# Altium PCB ATmega324PB_Xplained_Pro.PcbDoc (part 3 of 3)
Units mm, origin at the board's own origin, x right, y up, seen from the top; angles counter-clockwise.
Board outline 60 x 60 mm, 4 copper layers (Top Layer LF-signals, GND, POWER, Bottom Layer LF-signals), stack 1.604 mm thick; 129 components, 114 nets, 606 pads, 241 vias.
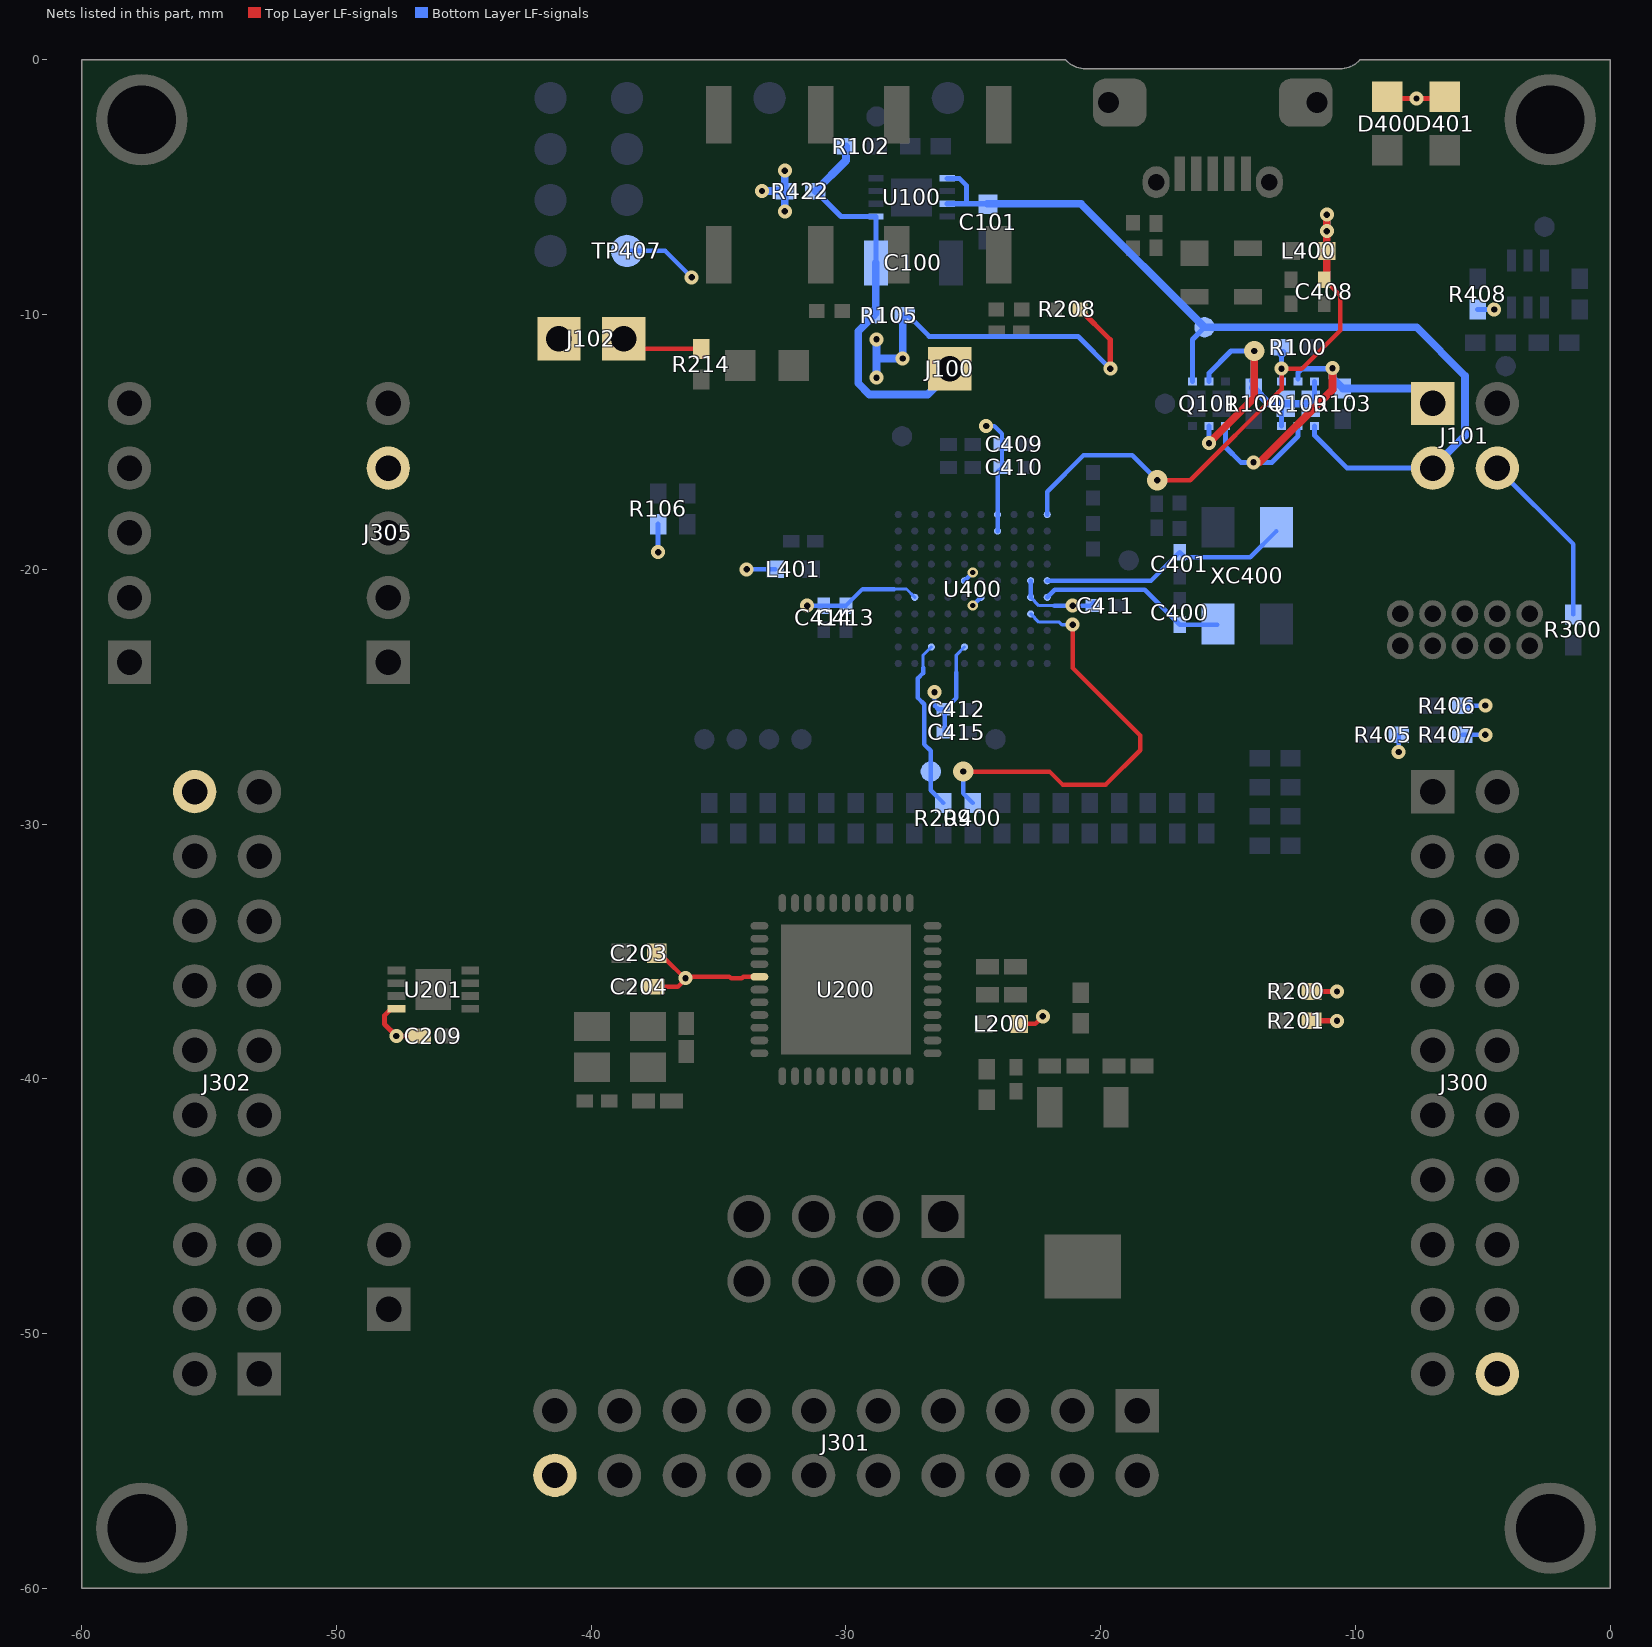
[diagram p5: the nets of this part, all layers, seen from the top]

## Via types
v1: diameter 0.55, hole 0.25, Top Layer LF-signals to Bottom Layer LF-signals, 105 vias
v2: diameter 0.55, hole 0.25, Top Layer LF-signals to Bottom Layer LF-signals, tented bottom, 45 vias
v3: diameter 0.55, hole 0.25, Top Layer LF-signals to Bottom Layer LF-signals, tented top, 29 vias
v4: diameter 0.55/0.8 (per signal layer), hole 0.25, Top Layer LF-signals to Bottom Layer LF-signals, tented top, 24 vias
v5: diameter 0.55, hole 0.25, Top Layer LF-signals to Bottom Layer LF-signals, tented both sides, 13 vias
v6: diameter 0.4, hole 0.2, Top Layer LF-signals to Bottom Layer LF-signals, tented both sides, 12 vias
v7: diameter 0.4, hole 0.2, Top Layer LF-signals to Bottom Layer LF-signals, tented top, 8 vias
v8: diameter 0.4, hole 0.2, Top Layer LF-signals to Bottom Layer LF-signals, 2 vias
v9: diameter 0.55/0.55 (per signal layer), hole 0.25, Top Layer LF-signals to Bottom Layer LF-signals, tented top, 1 vias
v10: diameter 0.55/0.55 (per signal layer), hole 0.25, Top Layer LF-signals to Bottom Layer LF-signals, 1 vias
v11: diameter 0.55/0.55 (per signal layer), hole 0.25, Top Layer LF-signals to Bottom Layer LF-signals, tented both sides, 1 vias

## Nets (pads, with @x,y where several pads share a name; then routed paths per layer and width w, separated by ;. In a path a pad name is that pad's centre, name@x,y a point inside that pad or via, vN(x,y) a via of type N, cw(c..) or ccw(c..) an arc to the next point about the centre after c; other vN are vias at no path point) (continued)
TARGET_RESET_: R400.1 U400.B4 | length 16.9
  Top Layer LF-signals w0.175: v4(-25.4,-27.94) -22.01,-27.94 -21.497,-28.453 -19.803,-28.453 -18.45,-27.1 -18.45,-26.525 -21.1,-23.875 v9(-21.1,-22.175)
  Bottom Layer LF-signals w0.125: U400.B4@-22.75,-21.75 -22.425,-22.075 -21.625,-22.075 -21.525,-22.175 v9(-21.1,-22.175)
  Bottom Layer LF-signals w0.175: -25.4,-28.8 R400.1@-25.025,-29.175 ; -25.4,-28.75 v4(-25.4,-27.94)
TARGET_RESET_SENSE: pad.0@-26.67,-27.94 R209.1 U400.H2 | length 6.7
  Bottom Layer LF-signals w0.125: -26.975,-23.865 -26.975,-23.375 U400.H2@-26.65,-23.05
  Bottom Layer LF-signals w0.175: -26.975,-23.865 -26.975,-24.075 -27.175,-24.275 -27.175,-25.05 -26.925,-25.3 -26.925,-26.875 -26.67,-27.13 pad.0@-26.67,-27.94 -26.67,-28.63 ; -26.67,-28.68 R209.1@-26.175,-29.175
VCC_EDBG_P3V3: C409.1 C410.1 C411.1 C412.1 C413.1 C414.1 C415.1 D400.2 D401.2 L401.1 R405.2 R406.2 R407.2 R408.2 R422.1 TP407.1 U400.B5 U400.B6 U400.D9 U400.D10 U400.E5 U400.F2 U400.F6 U400.J5 | length 30.2
  Top Layer LF-signals w0.2: D400.2@-8.756,-1.518 v3(-7.6,-1.518) D401.2@-6.47,-1.518
  Bottom Layer LF-signals w0.125: -28.115,-20.775 -27.625,-20.775 U400.J5@-27.3,-21.1 ; -25.675,-24.05 -25.675,-23.375 U400.F2@-25.35,-23.05 ; U400.B5@-22.75,-21.1 -22.425,-21.425 -21.825,-21.425
  Bottom Layer LF-signals w0.175: TP407.1@-38.6,-7.5 -37.1,-7.5 v1(-36.062,-8.538) ; v5(-33.9,-20) L401.1@-32.775,-20 ; v3(-31.525,-21.425) C414.1@-30.875,-21.425 C413.1@-30,-21.425 -29.35,-20.775 -28.115,-20.775 ; v3(-26.525,-24.825) -26.525,-25.35 -26.375,-25.5 C412.1@-26.125,-25.5 ; C415.1@-26.125,-26.4 C412.1@-26.125,-25.5 ; -25.675,-24.05 -25.675,-25.05 C412.1@-26.125,-25.5 ; U400.F6@-25.35,-20.45 v6(-25.025,-20.125) ; v6(-25.025,-21.425) U400.E5@-24.7,-21.1 ; v5(-24.5,-14.375) -24.175,-14.375 -23.875,-14.675 C409.1@-23.875,-15.1 C410.1@-23.875,-16 -24.05,-16.175 U400.D10@-24.05,-17.85 U400.D9@-24.05,-18.5 ; U400.B5@-22.75,-21.1 U400.B6@-22.75,-20.45 ; -21.825,-21.425 v3(-21.1,-21.425) -20.4,-21.425 C411.1@-20.275,-21.3 ; v3(-8.3,-27.175) R405.2@-8.3,-26.5 ; R407.2@-5.8,-26.5 v3(-4.9,-26.5) ; R406.2@-5.8,-25.35 v3(-4.9,-25.35)
  Bottom Layer LF-signals w0.2: R408.2@-5.2,-9.8 v3(-4.55,-9.8)
  Bottom Layer LF-signals w0.3: v3(-33.3,-5.15) R422.1@-32.4,-5.15 ; v3(-32.4,-5.95) R422.1@-32.4,-5.15 ; v3(-32.4,-4.35) R422.1@-32.4,-5.15
VCC_EDBG_USB_P5V0: C408.1 L400.2 Q100.1 R100.2 U400.A10 | length 23
  Top Layer LF-signals w0.175: v4(-17.78,-16.51) -16.485,-16.51 -12.9,-12.925 v1(-12.9,-12.125) -12.1,-12.125 -10.6,-10.625 -10.6,-9.25 C408.1@-11.225,-8.625
  Top Layer LF-signals w0.3: C408.1@-11.225,-8.625 -11.125,-8.525 L400.2@-11.125,-7.5 v3(-11.125,-6.075)
  Bottom Layer LF-signals w0.175: U400.A10@-22.1,-17.85 -22.1,-16.95 -20.675,-15.525 -18.765,-15.525 v4(-17.78,-16.51)
  Bottom Layer LF-signals w0.2: Q100.1@-12.9,-12.625 R100.2@-12.9,-11.55
  Bottom Layer LF-signals w0.3: R100.2@-12.9,-11.55 R100.2@-12.85,-11.5 ; v3(-11.125,-6.725) v3(-11.125,-6.075)
VCC_EXT_GATE: Q100.3 Q100.6 Q100.7 Q100.8 Q101.2 Q101.5 R104.2 | length 14.9
  Top Layer LF-signals w0.3: v1(-15.75,-15.05) -13.97,-13.27 v4(-13.97,-11.43) -13.97,-11.895
  Bottom Layer LF-signals w0.2: v1(-15.75,-15.05) Q101.2@-15.75,-14.375 ; Q101.5@-15.75,-12.625 -15.75,-12.3 -14.88,-11.43 v4(-13.97,-11.43) ; Q100.6@-12.9,-14.375 Q100.7@-12.9,-13.5 ; Q100.8@-11.76,-13.5 -11.6,-13.34 Q100.3@-11.6,-12.625
  Bottom Layer LF-signals w0.3: R104.2@-14.025,-12.875 -13.97,-12.82 v4(-13.97,-11.43) -13.97,-12.545 R104.2@-14.025,-12.6 ; R104.2@-14,-12.9 -13.4,-13.5 -12.9,-13.5 Q100.7@-12.74,-13.5 Q100.8@-11.76,-13.5
VCC_EXT_P5V0: J101.1@-6.97,-13.49 Q100.2 Q100.5 Q101.1 R103.2 | length 16.3
  Top Layer LF-signals w0.3: v3(-14,-15.8) -13.75,-15.8 -10.9,-12.95 v1(-10.9,-12.1)
  Bottom Layer LF-signals w0.2: Q101.1@-15.1,-14.375 -15.1,-15.2 -14.5,-15.8 v3(-14,-15.8) -13.275,-15.8 -12.25,-14.775 Q100.5@-12.25,-14.375 ; Q100.2@-12.25,-12.526 -12.25,-12.275 -12.1,-12.125 v1@-10.9,-12.125
  Bottom Layer LF-signals w0.3: v1(-10.9,-12.1) -10.9,-12.125 -10.9,-12.5 R103.2@-10.5,-12.9 -7.56,-12.9 J101.1@-6.97,-13.49
VCC_MCU_P3V3: C203.1 C204.1 J102.1 L200.2 U200.5 | length 6.9
  Top Layer LF-signals w0.175: C204.1@-37.572,-36.385 -36.598,-36.385 -36.213,-36 -34.575,-36 -34.512,-36.063 -34.088,-36.063 -34.025,-36 U200.5@-33.4,-36 ; C203.1@-37.423,-35.285 -37.102,-35.285 v1@-36.3,-36.087 ; L200.2@-23.2,-37.85 -22.575,-37.85 v2(-22.275,-37.55)
  other v1: -36.3,-36.05
VCC_P3V3: C100.1 J100.1@-25.925,-12.125 R102.1 R105.2 R422.2 U100.5 | length 16.1
  Bottom Layer LF-signals w0.2: R422.2@-31.2,-5.15 -30.2,-6.15 U100.5@-28.825,-6.15 C100.1@-28.825,-7.975
  Bottom Layer LF-signals w0.3: R422.2@-31.2,-5.15 -30,-3.95 R102.1@-30,-3.4 ; R105.2@-28.9,-10.025 -29.525,-10.65 -29.525,-12.7 -29.088,-13.137 -26.788,-13.137 J100.1@-25.775,-12.125 ; R105.2@-28.825,-9.95 C100.1@-28.825,-7.975
VCC_P5V0: C101.1 J101.3@-6.97,-16.03 pad.1 Q100.4 Q101.4 U100.1 U100.3 | length 36.7
  Bottom Layer LF-signals w0.2: U100.3@-26.025,-5.65 -25.275,-5.65 ; U100.1@-26.025,-4.65 -25.55,-4.65 -25.275,-4.925 -25.275,-5.65 ; C101.1@-24.45,-5.65 -25.275,-5.65 ; Q101.4@-16.4,-12.625 -16.4,-10.975 pad.1@-15.925,-10.5 ; Q100.4@-11.6,-14.375 -11.6,-14.75 -10.32,-16.03 J101.3@-6.978,-16.03
  Bottom Layer LF-signals w0.3: C101.1@-24.45,-5.65 -20.775,-5.65 pad.1@-15.925,-10.5 -7.6,-10.5 -5.7,-12.4 -5.7,-14.752 -6.978,-16.03 J101.3@-6.97,-16.03
VCC_TARGET_P3V3: C209.2 J101.4@-4.43,-16.03 J102.2 J300.20@-4.43,-51.59 J301.20@-41.43,-55.57 J302.20@-55.57,-28.73 J305.4 R105.1 R106.2 R200.2 R201.2 R208.2 R214.2 R300.2 U201.8 | length 31.8
  Top Layer LF-signals w0.175: J102.2@-38.73,-10.95 -38.33,-11.35 R214.2@-35.675,-11.35
  Top Layer LF-signals w0.2: U201.8@-47.65,-37.25 -47.85,-37.25 -48.125,-37.525 -48.125,-37.85 v1(-47.65,-38.325) C209.2@-46.75,-38.325 ; R208.2@-20.811,-9.8 -19.625,-10.986 v1(-19.625,-12.125) ; R201.2@-11.725,-37.725 v2(-10.725,-37.725) ; R200.2@-11.725,-36.575 v2(-10.725,-36.575)
  Bottom Layer LF-signals w0.175: J101.4@-4.43,-16.03 -1.45,-19.01 R300.2@-1.45,-21.775
  Bottom Layer LF-signals w0.2: v1(-37.375,-19.325) R106.2@-37.375,-18.225 ; R105.1@-27.7,-10.025 -27.56,-10.025 -26.73,-10.855 -20.895,-10.855 v1(-19.625,-12.125)
  Bottom Layer LF-signals w0.3: v1(-28.8,-12.475) -28.8,-11.725 ; v1(-28.8,-10.975) -28.8,-11.725 ; R105.1@-27.7,-10.025 -27.775,-10.1 v1(-27.775,-11.725) -28.8,-11.725
XIN0: C400.1 U400.A5 XC400.1 | length 7.4
  Bottom Layer LF-signals w0.175: U400.A5@-22.1,-21.1 -21.8,-20.8 -18.275,-20.8 C400.1@-16.9,-22.175 XC400.1@-15.425,-22.175
XOUT0: C401.1 U400.A6 XC400.3 | length 10
  Bottom Layer LF-signals w0.175: U400.A6@-22.1,-20.45 -18.025,-20.45 C401.1@-16.9,-19.325 -16.7,-19.525 -14.125,-19.525 XC400.3@-13.1,-18.5
pads on no net: J100.1@-25.925,-12.125 J101.1@-6.97,-13.49 J101.2@-4.43,-13.49 J101.3@-6.97,-16.03 J101.4@-4.43,-16.03 J201.1@-47.95,-49.05 J201.2@-47.95,-46.51 J300.1@-6.97,-28.73 J300.2@-4.43,-28.73 J300.3@-6.97,-31.27 J300.4@-4.43,-31.27 J300.5@-6.97,-33.81 J300.6@-4.43,-33.81 J300.7@-6.97,-36.35 J300.8@-4.43,-36.35 J300.9@-6.97,-38.89 J300.10@-4.43,-38.89 J300.11@-6.97,-41.43 J300.12@-4.43,-41.43 J300.13@-6.97,-43.97 J300.14@-4.43,-43.97 J300.15@-6.97,-46.51 J300.16@-4.43,-46.51 J300.17@-6.97,-49.05 J300.18@-4.43,-49.05 J300.19@-6.97,-51.59 J300.20@-4.43,-51.59 J301.1@-18.57,-53.03 J301.2@-18.57,-55.57 J301.3@-21.11,-53.03 J301.4@-21.11,-55.57 J301.5@-23.65,-53.03 J301.6@-23.65,-55.57 J301.7@-26.19,-53.03 J301.8@-26.19,-55.57 J301.9@-28.73,-53.03 J301.10@-28.73,-55.57 J301.11@-31.27,-53.03 J301.12@-31.27,-55.57 J301.13@-33.81,-53.03 J301.14@-33.81,-55.57 J301.15@-36.35,-53.03 J301.16@-36.35,-55.57 J301.17@-38.89,-53.03 J301.18@-38.89,-55.57 J301.19@-41.43,-53.03 J301.20@-41.43,-55.57 J302.1@-53.03,-51.59 J302.2@-55.57,-51.59 J302.3@-53.03,-49.05 J302.4@-55.57,-49.05 J302.5@-53.03,-46.51 J302.6@-55.57,-46.51 J302.7@-53.03,-43.97 J302.8@-55.57,-43.97 J302.9@-53.03,-41.43 J302.10@-55.57,-41.43 J302.11@-53.03,-38.89 J302.12@-55.57,-38.89 J302.13@-53.03,-36.35 J302.14@-55.57,-36.35 J302.15@-53.03,-33.81 J302.16@-55.57,-33.81 J302.17@-53.03,-31.27 J302.18@-55.57,-31.27 J302.19@-53.03,-28.73 J302.20@-55.57,-28.73 J304.1@-3.16,-21.74 J304.2@-3.16,-23.01 J304.3@-4.43,-21.74 J304.4@-4.43,-23.01 J304.5@-5.7,-21.74 J304.6@-5.7,-23.01 J304.7 J304.8 J304.9@-8.24,-21.74 J304.10@-8.24,-23.01 J400.4 J400.6@-12,-1.675 J400.7@-19.2,-1.675 J400.8@-13.375,-4.8 J400.9@-17.825,-4.8 U100.0 U100.2 U100.4 U100.6 U200.0 U201.1 U201.2 U201.3 U201.7 U400.A2 U400.A3 U400.A4 U400.A7 U400.B1 U400.B2 U400.B7 U400.C1 U400.C2 U400.C4 U400.D1 U400.D2 U400.D4 U400.D7 U400.E1 U400.E3 U400.E4 U400.E7 U400.E8 U400.F3 U400.F4 U400.G1 U400.G2 U400.G3 U400.G4 U400.G6 U400.G8 U400.G9 U400.G10 U400.H1 U400.H4 U400.H5 U400.H6 U400.H10 U400.J1 U400.J2 U400.J3 U400.J7 U400.J10 U400.K1 U400.K5 U400.K6 U400.K7 XC400.2 XC400.4

## Polygon pours and split planes (outlines as drawn)
GND on Top Layer LF-signals "Top_GND_fill" (solid, remove dead copper, pour order 14): -59.7,-0.3 -0.3,-0.3 -0.3,-59.7 -59.7,-59.7
GND on Bottom Layer LF-signals "Bottom Layer LF-signals-No Net" (solid, remove dead copper, pour order 15): -59.7,-0.3 -0.3,-0.3 -0.3,-59.7 -59.7,-59.7
GND on Bottom Layer LF-signals "Regulator_GND" (solid, remove dead copper, pour order 10): -28.275,-2.275 -28.275,-9.275 -24.975,-9.275 -24.975,-2.275
no net on Bottom Layer LF-signals "Regulator_P3V3" (solid, pour order 9): -27.925,-2.275 -27.925,-9.275 -31.79,-9.275 -31.79,-2.275 -27.925,-2.275
no net on Top Overlay "MountingHole_Index" (solid): -4.5,-0.3 -0.3,-0.3 -0.3,-4.5 -4.5,-4.5
GND on GND (split plane): -21.402,-0.321 -21.284,-0.405 -21.158,-0.474 -21.024,-0.53 -20.886,-0.57 -20.743,-0.594 -20.602,-0.602 -20.6,-0.602 -10.6,-0.602 -10.599,-0.602 -10.456,-0.594 -10.314,-0.57 -10.175,-0.53 -10.042,-0.474 -9.915,-0.405 -9.797,-0.321 -9.721,-0.253 -0.252,-0.252 -0.252,-59.748 -59.748,-59.748 -59.748,-0.252 -21.479,-0.252
VCC_EDBG_P3V3 on POWER (split plane): -21.402,-0.321 -21.284,-0.405 -21.158,-0.474 -21.024,-0.53 -20.886,-0.57 -20.743,-0.594 -20.602,-0.602 -20.6,-0.602 -10.6,-0.602 -10.599,-0.602 -10.456,-0.594 -10.314,-0.57 -10.175,-0.53 -10.042,-0.474 -9.915,-0.405 -9.797,-0.321 -9.721,-0.253 -0.252,-0.252 -0.252,-14.323 -5.9,-14.323 -5.946,-14.33 -5.988,-14.347 -6.025,-14.375 -6.053,-14.412 -6.07,-14.454 -6.077,-14.5 -6.077,-17.5 -6.07,-17.546 -6.053,-17.588 -6.025,-17.625 -4.677,-18.973 -4.677,-27.323 -31.402,-27.323 -34.698,-24.027 -34.698,-15.123 -33.677,-14.102 -28.425,-14.102 -28.379,-14.095 -28.336,-14.078 -28.3,-14.05 -27.35,-13.1 -27.322,-13.064 -27.305,-13.021 -27.298,-12.975 -27.298,-10.4 -27.305,-10.354 -27.322,-10.312 -27.35,-10.275 -28.5,-9.125 -28.537,-9.097 -28.579,-9.08 -28.625,-9.073 -36.302,-9.073 -37.123,-8.252 -37.123,-0.252 -21.479,-0.252
VCC_MCU_P3V3 on POWER (split plane): -40.177,-10.098 -40.177,-30.225 -40.17,-30.271 -40.153,-30.313 -40.125,-30.35 -36.525,-33.95 -36.488,-33.978 -36.446,-33.995 -36.4,-34.002 -22.748,-34.002 -21.252,-35.498 -21.252,-37.802 -22.723,-39.273 -34.734,-39.273 -42.473,-31.534 -42.473,-10.073 -42.102,-9.702 -40.573,-9.702
VCC_TARGET_P3V3 on POWER (split plane): -37.477,-8.325 -37.47,-8.371 -37.453,-8.413 -37.425,-8.45 -36.5,-9.375 -36.463,-9.403 -36.421,-9.42 -36.375,-9.427 -28.698,-9.427 -27.652,-10.473 -27.652,-12.902 -28.498,-13.748 -33.75,-13.748 -33.796,-13.755 -33.838,-13.772 -33.875,-13.8 -35,-14.925 -35.028,-14.962 -35.045,-15.004 -35.052,-15.05 -35.052,-24.1 -35.045,-24.146 -35.028,-24.188 -35,-24.225 -31.6,-27.625 -31.563,-27.653 -31.521,-27.67 -31.475,-27.677 -4.5,-27.677 -4.454,-27.67 -4.412,-27.653 -4.375,-27.625 -4.347,-27.588 -4.33,-27.546 -4.323,-27.5 -4.323,-18.9 -4.33,-18.854 -4.347,-18.812 -4.375,-18.775 -5.723,-17.427 -5.723,-14.677 -0.252,-14.677 -0.252,-59.748 -59.748,-59.748 -59.748,-0.252 -37.477,-0.252

## Keep-outs
Keep-Out Layer:
  lines w0.1: -42.658,-0.3 -21.375,-0.3 ccw(c-20.599,0.386) -19.964,-0.432 -11.23,-0.432 ; -42.645,-0.3 -59.7,-0.3 -59.7,-59.7 -0.3,-59.7 -0.3,-0.3 -9.825,-0.3 cw(c-10.6,0.386) -11.23,-0.436

## Other copper
POWER (plane layer: these items are gaps in the copper):
  lines w0.35: -37.3,-0.025 -37.3,-8.325 -36.375,-9.25 -28.625,-9.25 -27.475,-10.4 -27.475,-12.975 -28.425,-13.925 -33.75,-13.925 -34.875,-15.05 -34.875,-24.1 -31.475,-27.5 -4.5,-27.5 -4.5,-18.9 -5.9,-17.5 -5.9,-14.5 0,-14.5 ; -42.65,-31.607 -42.65,-10 -42.175,-9.525 -40.5,-9.525 -40,-10.025 -40,-30.225 -36.4,-33.825 -22.675,-33.825 -21.075,-35.425 -21.075,-37.875 -22.65,-39.45 -34.807,-39.45 -42.65,-31.607

## Silkscreen, mask and mechanical layers (free items; w line width, h text height)
Top Overlay:
  pour cut-out: -4.3,-2.35 ccw(c-2.35,-2.35) -2.35,-4.3 ccw(c-2.35,-2.35) -0.4,-2.35 ccw(c-2.35,-2.35) -2.35,-0.4 ccw(c-2.35,-2.35)
  text "VCC_MCU" at -40.925,-4.921 h1 r90
  text "GND" at -59.025,-5.4 h1.52
  text "GND" at -3.75,-5.75 h1.52
  text "VCC_TARGET" at -38.3,-6.55 h1 r90
  text "DEBUG USB" at -21.3,-8.95 h1.5 r90
  text "POWER" at -8.25,-10 h1.5 r90
  text "STATUS" at -6,-10.25 h1.5 r90
  text "SW0" at -36.2,-10.5 h1.5
  text "RESET" at -29.2,-10.5 h1.5
  text "ANALOG" at -49.575,-11.675 h1.5
  text "DGI GPIO" at -59.69,-11.775 h1.5
  text "PWR" at -7.525,-12.025 h1.5
  text "3.3V" at -24.05,-12.575 h1.5
  text "5.0V_IN" at -18.725,-13.85 h1.5
  text "GND" at -12.717,-13.879 h1.5
  text "GND" at -56.325,-13.919 h1.5
  text "GND" at -46.165,-13.919 h1.5
  text "1" at -9.063,-13.913 h1.5
  text "LED0" at -34.475,-14.15 h1.5
  text "5.0V" at -16.684,-16.42 h1.5
  text "VCC" at -12.717,-16.42 h1.5
  text "GPIO3" at -56.325,-16.459 h1.5
  text "VCC" at -46.165,-16.459 h1.5
  text "3" at -9.063,-16.453 h1.5
  text "b" at -35.825,-17.625 h7
  text "GPIO2" at -56.325,-18.999 h1.5
  text "ACO" at -46.165,-18.999 h1.5
  text "JTAG" at -7.7,-20.1 h1.5
  text "GPIO1" at -56.325,-21.539 h1.5
  text "AIN1" at -46.165,-21.539 h1.5
  text "ATmega324PB" at -42.725,-21.925 h1.5
  text "X" at -31.725,-21.925 h4
  text "PLAINED" at -28.3,-21.925 h2
  text "PRO" at -19.375,-21.925 h1
  text "GPIO0" at -56.325,-24.079 h1.5
  text "AIN0" at -46.165,-24.079 h1.5
  text "EXT4" at -55.85,-26.85 h1.5
  text "EXT1" at -7.25,-26.85 h1.5
  text "a" at -36.825,-28.575 h7
  text "19" at -51.437,-28.992 h1.5
  text "1" at -8.913,-29.238 h1.5
  text "17" at -51.437,-31.548 h1.5
  text "3" at -8.913,-31.778 h1.5
  text "ATmega324PB" at -36.025,-32 h2
  text "15" at -51.437,-34.103 h1.5
  text "5" at -8.913,-34.318 h1.5
  text "ATECC508A" at -49.1,-35.175 h1.2
  text "13" at -51.437,-36.659 h1.5
  text "7" at -8.913,-36.858 h1.5
  text "11" at -51.437,-39.214 h1.5
  text "9" at -8.913,-39.398 h1.5
  text "16MHz" at -41.05,-40.425 h1.2 r90
  text "9" at -51.437,-41.771 h1.5
  text "11" at -9.675,-41.938 h1.5
  text "PC05" at -27.675,-42.35 h1.2
  text "PC04" at -32.6,-42.4 h1.2
  text "PC02" at -30.05,-43.475 h1.2
  text "PC03" at -35.05,-43.525 h1.2
  text "7" at -51.4,-44.325 h1.5
  text "13" at -9.675,-44.478 h1.5
  text "J201" at -49.377,-44.9 h1.5
  text "32kHz" at -17.725,-46.175 h1.2 r90
  text "EXT4-06" at -45.975,-46.95 h1.5
  text "5" at -51.434,-46.982 h1.5
  text "15" at -9.675,-47.018 h1.5
  text "J200" at -35.45,-48.302 h1.5 r90
  text "3" at -51.437,-49.436 h1.5
  text "PA07" at -46,-49.55 h1.5
  text "17" at -9.675,-49.558 h1.5
  text "EXT3-07" at -33.475,-50.475 h1.2
  text "EXT3-03" at -27.725,-50.475 h1.2
  text "EXT3-08" at -36,-51.6 h1.2
  text "EXT3-06" at -30.2,-51.6 h1.2
  text "1" at -51.437,-51.992 h1.5
  text "19" at -9.675,-52.098 h1.5
  text "1" at -16.217,-53.277 h1.5 r90
  text "19" at -42.856,-53.744 h1.5 r90
  text "GND" at -59.075,-55.575 h1.52
  text "GND" at -3.8,-55.6 h1.52
  text "EXT3" at -44.326,-55.749 h1.5 r90
  text "2" at -16.222,-55.904 h1.5 r90
  text "20" at -42.861,-56.283 h1.5 r90
Bottom Overlay:
  lines w0.1: -35.95,-28.525 -35.95,-27.225 -31.35,-27.225 ; -29.05,-28.525 -29.05,-27.225 -31.35,-27.225 ; -19.85,-28.525 -19.85,-27.225 ; -16.35,-22.85 -16.35,-23.075 -16.175,-23.25 -15.95,-23.25 ; -15.275,-28.525 -15.275,-27.225 -19.85,-27.225 ; -31.35,-28.525 -31.35,-28.525 ; -31.35,-28.525 -31.35,-27.225 ; -24.45,-28.525 -24.45,-28.525 ; -24.45,-28.525 -24.45,-27.225 -19.85,-27.225 ; -29.05,-28.525 -29.05,-28.525 ; -26.75,-28.525 -26.75,-28.525
  text "GND" at -42.825,-1.825 h0.67
  text "BOOT" at -34.906,-1.875 h0.67
  text "TCK" at -42.825,-3.825 h0.67
  text "RST" at -35.577,-3.875 h0.67
  text "TDI" at -42.825,-5.825 h0.67
  text "TDO" at -35.577,-5.875 h0.67
  text "TMS" at -42.825,-7.825 h0.67
  text "VCC" at -35.577,-7.875 h0.67
  text "ANALOG" at -43.45,-11.75 h1.5
  text "DGI GPIO" at -53.525,-11.8 h1.5
  text "EXT" at -6.25,-12.175 h0.67
  text "3.3V" at -27.65,-12.6 h1.5
  text "GND" at -0.9,-13.8 h0.67
  text "GND" at -53.575,-13.844 h1.5
  text "GND" at -43.45,-13.869 h1.5
  text "3.3V" at -0.9,-16.35 h0.67
  text "PC06" at -53.6,-16.384 h1.5
  text "VCC" at -43.45,-16.409 h1.5
  text "5.0V" at -5.95,-18.05 h0.67
  text "PC01" at -53.6,-18.924 h1.5
  text "PC05" at -43.45,-19.024 h1.5
  text "PB02" at -53.6,-21.464 h1.5
  text "PB03" at -43.45,-21.564 h1.5
  text "PB04" at -53.6,-24.004 h1.5
  text "PB02" at -43.45,-24.104 h1.5
  text "UART" at -29.275,-28.15 h0.8
  text "SPI" at -32.85,-28.275 h1.2
  text "JTAG" at -21.075,-28.275 h1.2
  text "GPIO" at -16.275,-28.275 h1.2
  text "VCC" at -56.851,-29.075 h0.67
  text "GND" at -49.346,-29.075 h0.67
  text "ID" at -8.21,-29.075 h0.67
  text "GND" at -1,-29.075 h0.67
  text "c" at -39.125,-31.3 h4
  text "PB07" at -56.851,-31.622 h0.67
  text "PB06" at -49.346,-31.622 h0.67
  text "PA00" at -8.21,-31.624 h0.67
  text "PA01" at -0.688,-31.752 h0.67
  text "REMOVE RESISTORS TO DISCONNECT EDBG" at -15.225,-32 h1.2
  text "ID" at -17.975,-34.125 h1.3
  text "GND" at -11.85,-34.125 h1.3
  text "PB05" at -56.851,-34.169 h0.67
  text "PB00" at -49.346,-34.169 h0.67
  text "PA02" at -8.21,-34.173 h0.67
  text "PA03" at -0.688,-34.276 h0.67
  text "Atmel Corp © 2015" at -28.75,-35.525 h2
  text "ADC+" at -17.975,-35.75 h1.3
  text "ADC-" at -11.85,-35.75 h1.3
  text "PE03" at -56.851,-36.717 h0.67
  text "PE02" at -49.346,-36.717 h0.67
  text "PD05" at -8.21,-36.722 h0.67
  text "PD04" at -0.688,-36.8 h0.67
  text "GPIO0" at -17.975,-37.375 h1.3
  text "GPIO1" at -11.85,-37.375 h1.3
  text "PWM+" at -17.975,-39 h1.3
  text "PWM-" at -11.85,-39 h1.3
  text "PE06" at -56.851,-39.264 h0.67
  text "PE05" at -49.346,-39.264 h0.67
  text "PC01" at -8.21,-39.271 h0.67
  text "PC00" at -0.688,-39.333 h0.67
  text "IRQ" at -17.975,-40.625 h1.3
  text "SPI_SS_B" at -11.85,-40.625 h1.3
  text "A08-2447 Rev 2" at -30.375,-41.525 h2
  text "PD07" at -56.851,-41.811 h0.67
  text "PB02" at -49.346,-41.811 h0.67
  text "PE05" at -8.21,-41.82 h0.67
  text "PE06" at -0.688,-41.867 h0.67
  text "XPLAINED PRO" at -25.275,-42.05 h0.67 r270
  text "TWI_SDA" at -17.975,-42.25 h1.3
  text "TWI_SCL" at -11.85,-42.25 h1.3
  text "EXTENSION HEADER" at -26.425,-43.394 h0.67 r270
  text "TCK" at -29.582,-43.537 h1
  text "TDI" at -27.015,-43.537 h1
  text "TMS" at -34.703,-43.587 h1
  text "TDO" at -32.101,-43.587 h1
  text "UART_RX" at -17.975,-43.875 h1.3
  text "UART_TX" at -11.85,-43.875 h1.3
  text "PE04" at -56.851,-44.358 h0.67
  text "PB03" at -49.346,-44.358 h0.67
  text "PD00" at -8.21,-44.369 h0.67
  text "PD01" at -0.688,-44.4 h0.67
  text "SPI_SS_A" at -17.975,-45.5 h1.3
  text "SPI_MOSI" at -11.85,-45.5 h1.3
  text "PA07" at -56.851,-46.906 h0.67
  text "PA06" at -49.346,-46.906 h0.67
  text "PB04" at -8.21,-46.918 h0.67
  text "PB05" at -0.688,-46.933 h0.67
  text "t" at -42.125,-47.075 h4
  text "SPI_MISO" at -17.975,-47.125 h1.3
  text "SPI_SCK" at -11.85,-47.125 h1.3
  text "p" at -37.05,-47.4 h4
  text "GND" at -17.975,-48.75 h1.3
  text "VCC" at -11.85,-48.75 h1.3
  text "PA05" at -56.851,-49.453 h0.67
  text "PA04" at -49.346,-49.453 h0.67
  text "PB06" at -8.21,-49.467 h0.67
  text "PB07" at -0.688,-49.467 h0.67
  text "ID" at -49.85,-51.2 h0.67
  text "GND" at -8.21,-51.301 h0.67
  text "GND" at -41.8,-51.734 h0.67 r270
  text "PB06" at -39.267,-51.734 h0.67 r270
  text "PD06" at -36.733,-51.734 h0.67 r270
  text "PD02" at -34.2,-51.734 h0.67 r270
  text "PE05" at -31.667,-51.734 h0.67 r270
  text "PC06" at -29.133,-51.734 h0.67 r270
  text "PC04" at -26.6,-51.734 h0.67 r270
  text "PE04" at -24.067,-51.734 h0.67 r270
  text "PC05" at -21.533,-51.734 h0.67 r270
  text "ID" at -19,-51.734 h0.67 r270
  text "GND" at -56.851,-52 h0.67
  text "VCC" at -1,-52 h0.67
  text "VCC" at -41.8,-59.281 h0.67 r270
  text "PB07" at -39.267,-59.281 h0.67 r270
  text "PB05" at -36.733,-59.281 h0.67 r270
  text "PD03" at -34.2,-59.281 h0.67 r270
  text "PE06" at -31.667,-59.281 h0.67 r270
  text "PB01" at -29.133,-59.281 h0.67 r270
  text "PC03" at -26.6,-59.281 h0.67 r270
  text "PC02" at -24.067,-59.281 h0.67 r270
  text "PC07" at -21.533,-59.281 h0.67 r270
  text "GND" at -19,-59.281 h0.67 r270
Mechanical 1:
  lines w0.1: -19.1,-0.353 -12.082,-0.353 ; -60,-60 0,-60 0,0 -9.825,0 cw(c-10.6,0.686) -10.6,-0.35 -20.6,-0.35 cw(c-20.6,0.686) -21.375,-0.001 -42.702,0 -60,0 -60,-60
Mechanical 4:
  circle w0.254: c-4.43,-43.97 r0.5
  circle w0.254: c-6.97,-43.97 r0.5
  circle w0.254: c-4.43,-41.43 r0.5
  circle w0.254: c-6.97,-41.43 r0.5
  circle w0.254: c-6.97,-38.89 r0.5
  circle w0.254: c-4.43,-38.89 r0.5
  circle w0.254: c-4.43,-36.35 r0.5
  circle w0.254: c-6.97,-36.35 r0.5
  circle w0.254: c-4.43,-33.81 r0.5
  circle w0.254: c-6.97,-33.81 r0.5
  circle w0.254: c-4.43,-31.27 r0.5
  circle w0.254: c-6.97,-31.27 r0.5
  circle w0.254: c-4.43,-28.73 r0.5
  circle w0.254: c-6.97,-28.73 r0.5
  circle w0.2: c-57.65,-2.35 r1.35
  circle w0.2: c-2.35,-2.35 r1.35
  circle w0.254: c-4.43,-16.03 r0.5
  circle w0.254: c-6.97,-16.03 r0.5
  circle w0.254: c-6.97,-13.49 r0.5
  circle w0.254: c-4.43,-13.49 r0.5
  circle w0.254: c-6.97,-51.59 r0.5
  circle w0.254: c-4.43,-51.59 r0.5
  circle w0.254: c-4.43,-49.05 r0.5
  circle w0.254: c-6.97,-49.05 r0.5
  circle w0.254: c-6.97,-46.51 r0.5
  circle w0.254: c-4.43,-46.51 r0.5
  circle w0.2: c-2.35,-57.65 r1.35
  circle w0.2: c-57.65,-57.65 r1.35
  circle w0.254: c-53.03,-46.51 r0.5
  circle w0.254: c-55.57,-46.51 r0.5
  circle w0.254: c-55.57,-49.05 r0.5
  circle w0.254: c-53.03,-49.05 r0.5
  circle w0.254: c-53.03,-51.59 r0.5
  circle w0.254: c-55.57,-51.59 r0.5
  circle w0.254: c-55.57,-28.73 r0.5
  circle w0.254: c-53.03,-28.73 r0.5
  circle w0.254: c-55.57,-31.27 r0.5
  circle w0.254: c-53.03,-31.27 r0.5
  circle w0.254: c-55.57,-33.81 r0.5
  circle w0.254: c-53.03,-33.81 r0.5
  circle w0.254: c-55.57,-36.35 r0.5
  circle w0.254: c-53.03,-36.35 r0.5
  circle w0.254: c-53.03,-38.89 r0.5
  circle w0.254: c-55.57,-38.89 r0.5
  circle w0.254: c-55.57,-41.43 r0.5
  circle w0.254: c-53.03,-41.43 r0.5
  circle w0.254: c-55.57,-43.97 r0.5
  circle w0.254: c-53.03,-43.97 r0.5
  circle w0.254: c-23.65,-53.03 r0.5
  circle w0.254: c-23.65,-55.57 r0.5
  circle w0.254: c-21.11,-55.57 r0.5
  circle w0.254: c-21.11,-53.03 r0.5
  circle w0.254: c-18.57,-53.03 r0.5
  circle w0.254: c-18.57,-55.57 r0.5
  circle w0.254: c-41.43,-55.57 r0.5
  circle w0.254: c-41.43,-53.03 r0.5
  circle w0.254: c-38.89,-55.57 r0.5
  circle w0.254: c-38.89,-53.03 r0.5
  circle w0.254: c-36.35,-55.57 r0.5
  circle w0.254: c-36.35,-53.03 r0.5
  circle w0.254: c-33.81,-55.57 r0.5
  circle w0.254: c-33.81,-53.03 r0.5
  circle w0.254: c-31.27,-53.03 r0.5
  circle w0.254: c-31.27,-55.57 r0.5
  circle w0.254: c-28.73,-55.57 r0.5
  circle w0.254: c-28.73,-53.03 r0.5
  circle w0.254: c-26.19,-55.57 r0.5
  circle w0.254: c-26.19,-53.03 r0.5
  circle w0.254: c-25.928,-12.13 r0.5
  circle w0.254: c-58.28,-18.585 r0.5
  circle w0.254: c-58.28,-21.125 r0.5
  circle w0.254: c-58.28,-23.665 r0.5
  circle w0.254: c-58.28,-13.505 r0.5
  circle w0.254: c-58.28,-16.045 r0.5
  circle w0.254: c-48.135,-18.56 r0.5
  circle w0.254: c-48.135,-21.1 r0.5
  circle w0.254: c-48.135,-23.64 r0.5
  circle w0.254: c-48.135,-13.48 r0.5
  circle w0.254: c-48.135,-16.02 r0.5
  circle w0.254: c-3.155,-21.73 r0.25
  circle w0.254: c-4.43,-21.73 r0.25
  circle w0.254: c-5.705,-21.73 r0.25
  circle w0.254: c-6.98,-21.73 r0.25
  circle w0.254: c-8.23,-21.73 r0.25
  circle w0.254: c-3.153,-23.02 r0.25
  circle w0.254: c-4.403,-23.02 r0.25
  circle w0.254: c-5.678,-23.02 r0.25
  circle w0.254: c-6.953,-23.02 r0.25
  circle w0.254: c-8.228,-23.02 r0.25
  circle w0.254: c-33.815,-45.43 r0.5
  circle w0.254: c-33.815,-47.97 r0.5
  circle w0.254: c-26.195,-47.97 r0.5
  circle w0.254: c-26.195,-45.43 r0.5
  circle w0.254: c-28.735,-45.43 r0.5
  circle w0.254: c-28.735,-47.97 r0.5
  circle w0.254: c-31.275,-47.97 r0.5
  circle w0.254: c-31.275,-45.43 r0.5
  circle w0.254: c-47.955,-49.065 r0.5
  circle w0.254: c-47.955,-46.525 r0.5
  region: -10.891,-0.725 -12.991,-0.725 -12.991,-2.625 -10.891,-2.625
  region: -13.559,-0.725 -15.334,-0.725 -15.334,-2.625 -13.559,-2.625
  rectangle: -17.641,-2.625 -15.866,-0.725
  rectangle: -20.291,-2.625 -18.191,-0.725
  rectangle: -14.516,-5.15 -14.091,-3.8
  rectangle: -15.166,-5.15 -14.741,-3.8
  rectangle: -15.816,-5.15 -15.391,-3.8
  rectangle: -16.466,-5.15 -16.041,-3.8
  rectangle: -17.116,-5.15 -16.691,-3.8
  lines w0.1: -54.808,-40.16 -53.808,-40.16 ; -54.3,-40.66 -54.3,-39.66 ; -48.45,-47.78 -47.45,-47.78 ; -47.95,-48.288 -47.95,-47.288 ; -30.5,-54.3 -29.5,-54.3 ; -30.5,-46.675 -29.5,-46.675 ; -30,-54.808 -30,-53.808 ; -30,-47.183 -30,-46.183 ; -6.208,-40.16 -5.208,-40.16 ; -6.208,-14.76 -5.208,-14.76 ; -6.183,-22.375 -5.183,-22.375 ; -5.708,-15.26 -5.708,-14.26 ; -5.7,-40.66 -5.7,-39.66 ; -5.683,-22.875 -5.683,-21.875
  text "Small MCU Connector Placement" at -63.316,6.575 h5
  text "DEBUG USB" at -19.95,-7.575 h1
  text "1" at -7.137,-12.05 h1
  text "2" at -4.763,-12.05 h1
  text "3.3V" at -31.7,-12.575 h1
  text "Power Header" at -22.594,-15.26 h1
  text "JTAG Header" at -10.95,-19.625 h1
  text "Analog Header" at -45.225,-24.8 h1 r90
  text "EDBG DGI GPIO Header" at -55.4,-24.85 h1 r90
  text "1" at -55.745,-27.275 h1
  text "2" at -53.371,-27.275 h1
  text "1" at -7.137,-27.29 h1
  text "2" at -4.763,-27.29 h1
  text "JTAG Jumper Header" at -38.375,-43.3 h1
  text "Extension Header 1" at -9.125,-47.25 h1 r90
  text "Extension Header 4" at -50.25,-47.775 h1 r90
  text "PA07 / Jumper / Header" at -46.3,-50.55 h1
  text "Extension Header 3" at -37.85,-50.95 h1
  text "1" at -15.79,-53.207 h1 r90
  text "2" at -15.79,-55.913 h1 r90
Mechanical 6:
  circle w0.254: c-57.65,-57.65 r1.35
  circle w0.254: c-2.35,-57.65 r1.35
  circle w0.254: c-2.35,-2.35 r1.35
  circle w0.254: c-57.65,-2.35 r1.35
  text "Small MCU Mechanical Dimensions" at -65.366,11.05 h5
Mechanical 12:
  circle w0.5: c-26,-1.5 r0.25
  circle w0.5: c-33,-1.5 r0.25
  circle w0.5: c-38.6,-7.5 r0.25
  circle w0.5: c-38.6,-5.5 r0.25
  circle w0.5: c-38.6,-3.5 r0.25
  circle w0.5: c-38.6,-1.5 r0.25
  circle w0.5: c-41.6,-7.5 r0.25
  circle w0.5: c-41.6,-5.5 r0.25
  circle w0.5: c-41.6,-3.5 r0.25
  circle w0.5: c-41.6,-1.5 r0.25
  circle w0.2: c-2.35,-2.35 r1.35
  circle w0.2: c-57.65,-2.35 r1.35
  lines w0.3: -48.15,-22.225 -41.65,-22.225 -41.65,-8.425 ; -48.15,-20.075 -43.6,-20.075 -43.6,-5.525 ; -48.15,-17.8 -44.625,-17.8 -44.625,-3.475 -42.325,-3.475 ; -48.15,-15.725 -45.525,-15.725 -45.525,-1.5 -42.325,-1.5 ; -43.054,-6.2 -42.354,-5.5 -43.054,-4.8 ; -43.025,-4.175 -42.325,-3.475 ; -43.025,-2.775 -42.325,-3.475 ; -43.025,-2.2 -42.325,-1.5 ; -43.025,-0.8 -42.325,-1.5 ; -42.35,-9.125 -41.65,-8.425 ; -42.3,-9.225 -41.6,-8.525 -40.9,-9.225 ; -40.95,-9.125 -41.65,-8.425 ; -39.3,-9.225 -38.6,-8.525 -37.9,-9.225 ; -39.25,-9.125 -38.55,-8.425 ; -37.85,-9.125 -38.55,-8.425 ; -37.175,-6.125 -37.875,-5.425 ; -37.175,-4.725 -37.875,-5.425 ; -37.175,-4.175 -37.875,-3.475 ; -37.175,-2.775 -37.875,-3.475 ; -37.175,-2.2 -37.875,-1.5 ; -37.175,-0.8 -37.875,-1.5 ; -33.675,-3.25 -32.975,-2.55 ; -32.975,-7.125 -32.975,-2.55 ; -32.275,-3.25 -32.975,-2.55 ; -32.05,-22.225 -38.55,-22.225 -38.55,-8.425 ; -32.05,-20.075 -36.6,-20.075 -36.6,-5.425 -37.875,-5.425 ; -32.05,-17.8 -35.575,-17.8 -35.575,-3.475 -37.875,-3.475 ; -32.05,-15.725 -34.675,-15.725 -34.675,-1.5 -37.875,-1.5 ; -26.7,-3.2 -26,-2.5 ; -26,-4.5 -26,-2.5 ; -25.3,-3.2 -26,-2.5
  text "Small MCU Test Points Placement" at -64.211,15.189 h5
  text "TP_TARGET_RESET" at -26.425,-6.075 h1
  text "TP_TARGET_BOOT" at -33.45,-8.7 h1
  text "TP_GND" at -54.427,-16.175 h1
  text "TP_EDBG_BOOT" at -31.25,-16.175 h1
  text "TP_EDBG_TCK" at -59.377,-18.383 h1
  text "TP_EDBG_RESET" at -31.25,-18.383 h1
  text "TP_EDBG_TDI" at -59.044,-20.592 h1
  text "TP_EDBG_TDO" at -31.25,-20.592 h1
  text "TP_EDBG_TMS" at -59.377,-22.8 h1
  text "TP_VCC_EDBG_P3V3" at -31.25,-22.8 h1
  text "TEST POINTS ON BOTTOM LAYER" at -52.725,-27.9 h1
Mechanical 16:
  lines w0.127: -219,-126.915 -213.92,-126.915 ; -219,-56.255 -213.92,-56.255 ; -219,14.23 -213.92,14.23 ; -169.724,-197.4 -169.724,-192.32 ; -169.724,79.46 -169.724,84.54 ; -125.7,79.46 -125.7,84.54 ; -120.575,-197.4 -120.575,-192.32 ; -76.525,79.46 -76.525,84.54 ; -71.426,-197.4 -71.426,-192.32 ; -22.15,-197.4 -22.15,-192.32 ; -22.15,79.46 -22.15,84.54 ; 26.999,-197.4 26.999,-192.32 ; 26.999,79.46 26.999,84.54 ; 55.32,-184.7 169.62,-184.7 ; 55.32,-177.08 169.62,-177.08 ; 55.32,-169.46 93.42,-169.46 ; 76.148,-197.4 76.148,-192.32 ; 76.148,79.46 76.148,84.54 ; 93.42,-192.32 93.42,-177.08 93.42,-161.84 ; 125.424,-197.4 125.424,-192.32 ; 125.424,79.46 125.424,84.54 ; 146.76,-192.32 146.76,-177.08 ; 169.62,-126.915 174.7,-126.915 ; 169.62,-56.3 174.7,-56.3 ; 169.62,14.185 174.7,14.185 ; 55.32,-192.32 55.32,-161.84 ; 55.32,-192.32 169.62,-192.32 ; 55.32,-192.32 19.76,-192.32 19.76,-161.84 55.32,-161.84 ; 55.32,-161.84 93.42,-161.84 ; 93.42,-161.84 169.62,-161.84 169.62,-192.32 ; 169.62,-192.32 169.62,79.46 -213.92,79.46 -213.92,-192.32 169.62,-192.32 ; -219,-197.4 174.7,-197.4 174.7,84.54 -219,84.54 -219,-197.4
  text "1" at -194.963,81.111 h0.67
  text "4" at -47.372,81.111 h0.67
  text "5" at 1.904,81.111 h0.67
  text "6" at 50.926,81.111 h0.67
  text "7" at 100.456,81.111 h0.67
  text "8" at 149.478,81.111 h0.67
  text "2" at -148.474,80.975 h0.67
  text "3" at -101.924,80.825 h0.67
  text "A" at -217.095,47.301 h0.67
  text "A" at 171.525,47.256 h0.67
  text "B" at 171.605,-20.799 h0.67
  text "B" at -217.095,-23.311 h0.67
  text "C" at 172.25,-90.25 h0.67
  text "C" at -217.188,-91.488 h0.67
  text "D" at -217.095,-164.202 h0.67
  text "D" at 171.525,-164.202 h0.67
  text "ENGINEER:" at 56.59,-164.38 h0.67
  text "TITLE:" at 94.69,-164.38 h0.67
  text "PCB DESIGNER:" at 56.59,-171.873 h0.67
  text "B" at 20.75,-177 h22
  text "DATE:" at 56.59,-179.62 h0.67
  text "PART NO.:" at 94.69,-179.62 h0.67
  text "REV:" at 148.03,-179.62 h0.67
  text ".PRINT_DATE" at 56.7,-183.5 h0.67
  text "ATMEL NORWAY" at 24,-184.4 h0.67
  text "Vestre Rosten 79" at 23.97,-186.478 h0.67
  text "FILE NAME:" at 56.59,-187.24 h0.67
  text "DWG NO:" at 94.69,-187.24 h0.67
  text "SCALE:" at 148.03,-187.24 h0.67
  text "N-7075 Tiller" at 23.97,-189.78 h0.67
  text ".PCB_FILE_NAME_NO_PATH" at 57.86,-190.288 h0.67
  text "2" at -145.34,-195.688 h0.67
  text "3" at -95.81,-195.688 h0.67
  text "4" at -46.788,-195.688 h0.67
  text "5" at 1.904,-195.688 h0.67
  text "6" at 50.926,-195.688 h0.67
  text "7" at 100.456,-195.688 h0.67
  text "8" at 149.478,-195.688 h0.67

## Dimensions
-5.208,-40.16 to 0,-60 on Mechanical 4
-5.208,-14.76 to 0,-60 on Mechanical 4
-57.65,-2.35 to -62.775,1.6 on Mechanical 6
-59,-57.65 to -60,-60 on Mechanical 6
-60,-60 to -57.65,-59 on Mechanical 6
-9.825,-0.001 to -60,-60 on Mechanical 6
-21.375,-0.001 to -60,-60 on Mechanical 6
-60,-60 to 0,-60 on Mechanical 6
-60,-60 to -26,-1.25 on Mechanical 12
-60,-60 to -33,-1.25 on Mechanical 12
-60,-60 to -38.6,-1.25 on Mechanical 12
-60,-60 to -41.6,-1.25 on Mechanical 12
-25.75,-1.5 to -60,-60 on Mechanical 12
-41.85,-5.5 to -41.85,-7.5 on Mechanical 12
0,0 to -15.6,-1.425 on Mechanical 4
-42.702,-0.047 to -60,-60 on Mechanical 6
0,-60 to -30,-55.325 on Mechanical 4
-60,-60 to -57.094,-40.16 on Mechanical 4
0,-60 to -5.2,-22.375 on Mechanical 4
0,0 to 0,-60 on Mechanical 6

## Text inside footprints (layer, text, board x,y; h text height)
LABEL1: Bottom Overlay "PCBA LABEL" at -33.875,-38.7 h1.52